# Altium PCB 小车PCB升级.PcbDoc (part 1 of 3)
Units mil, origin at the board's own origin, x right, y up, seen from the top; angles counter-clockwise.
Board outline 11811 x 8110.24 mil, 2 copper layers (Top Layer, Bottom Layer); 364 components, 360 nets, 1505 pads, 396 vias.
Unrouted connection lines stored in the file: 145.
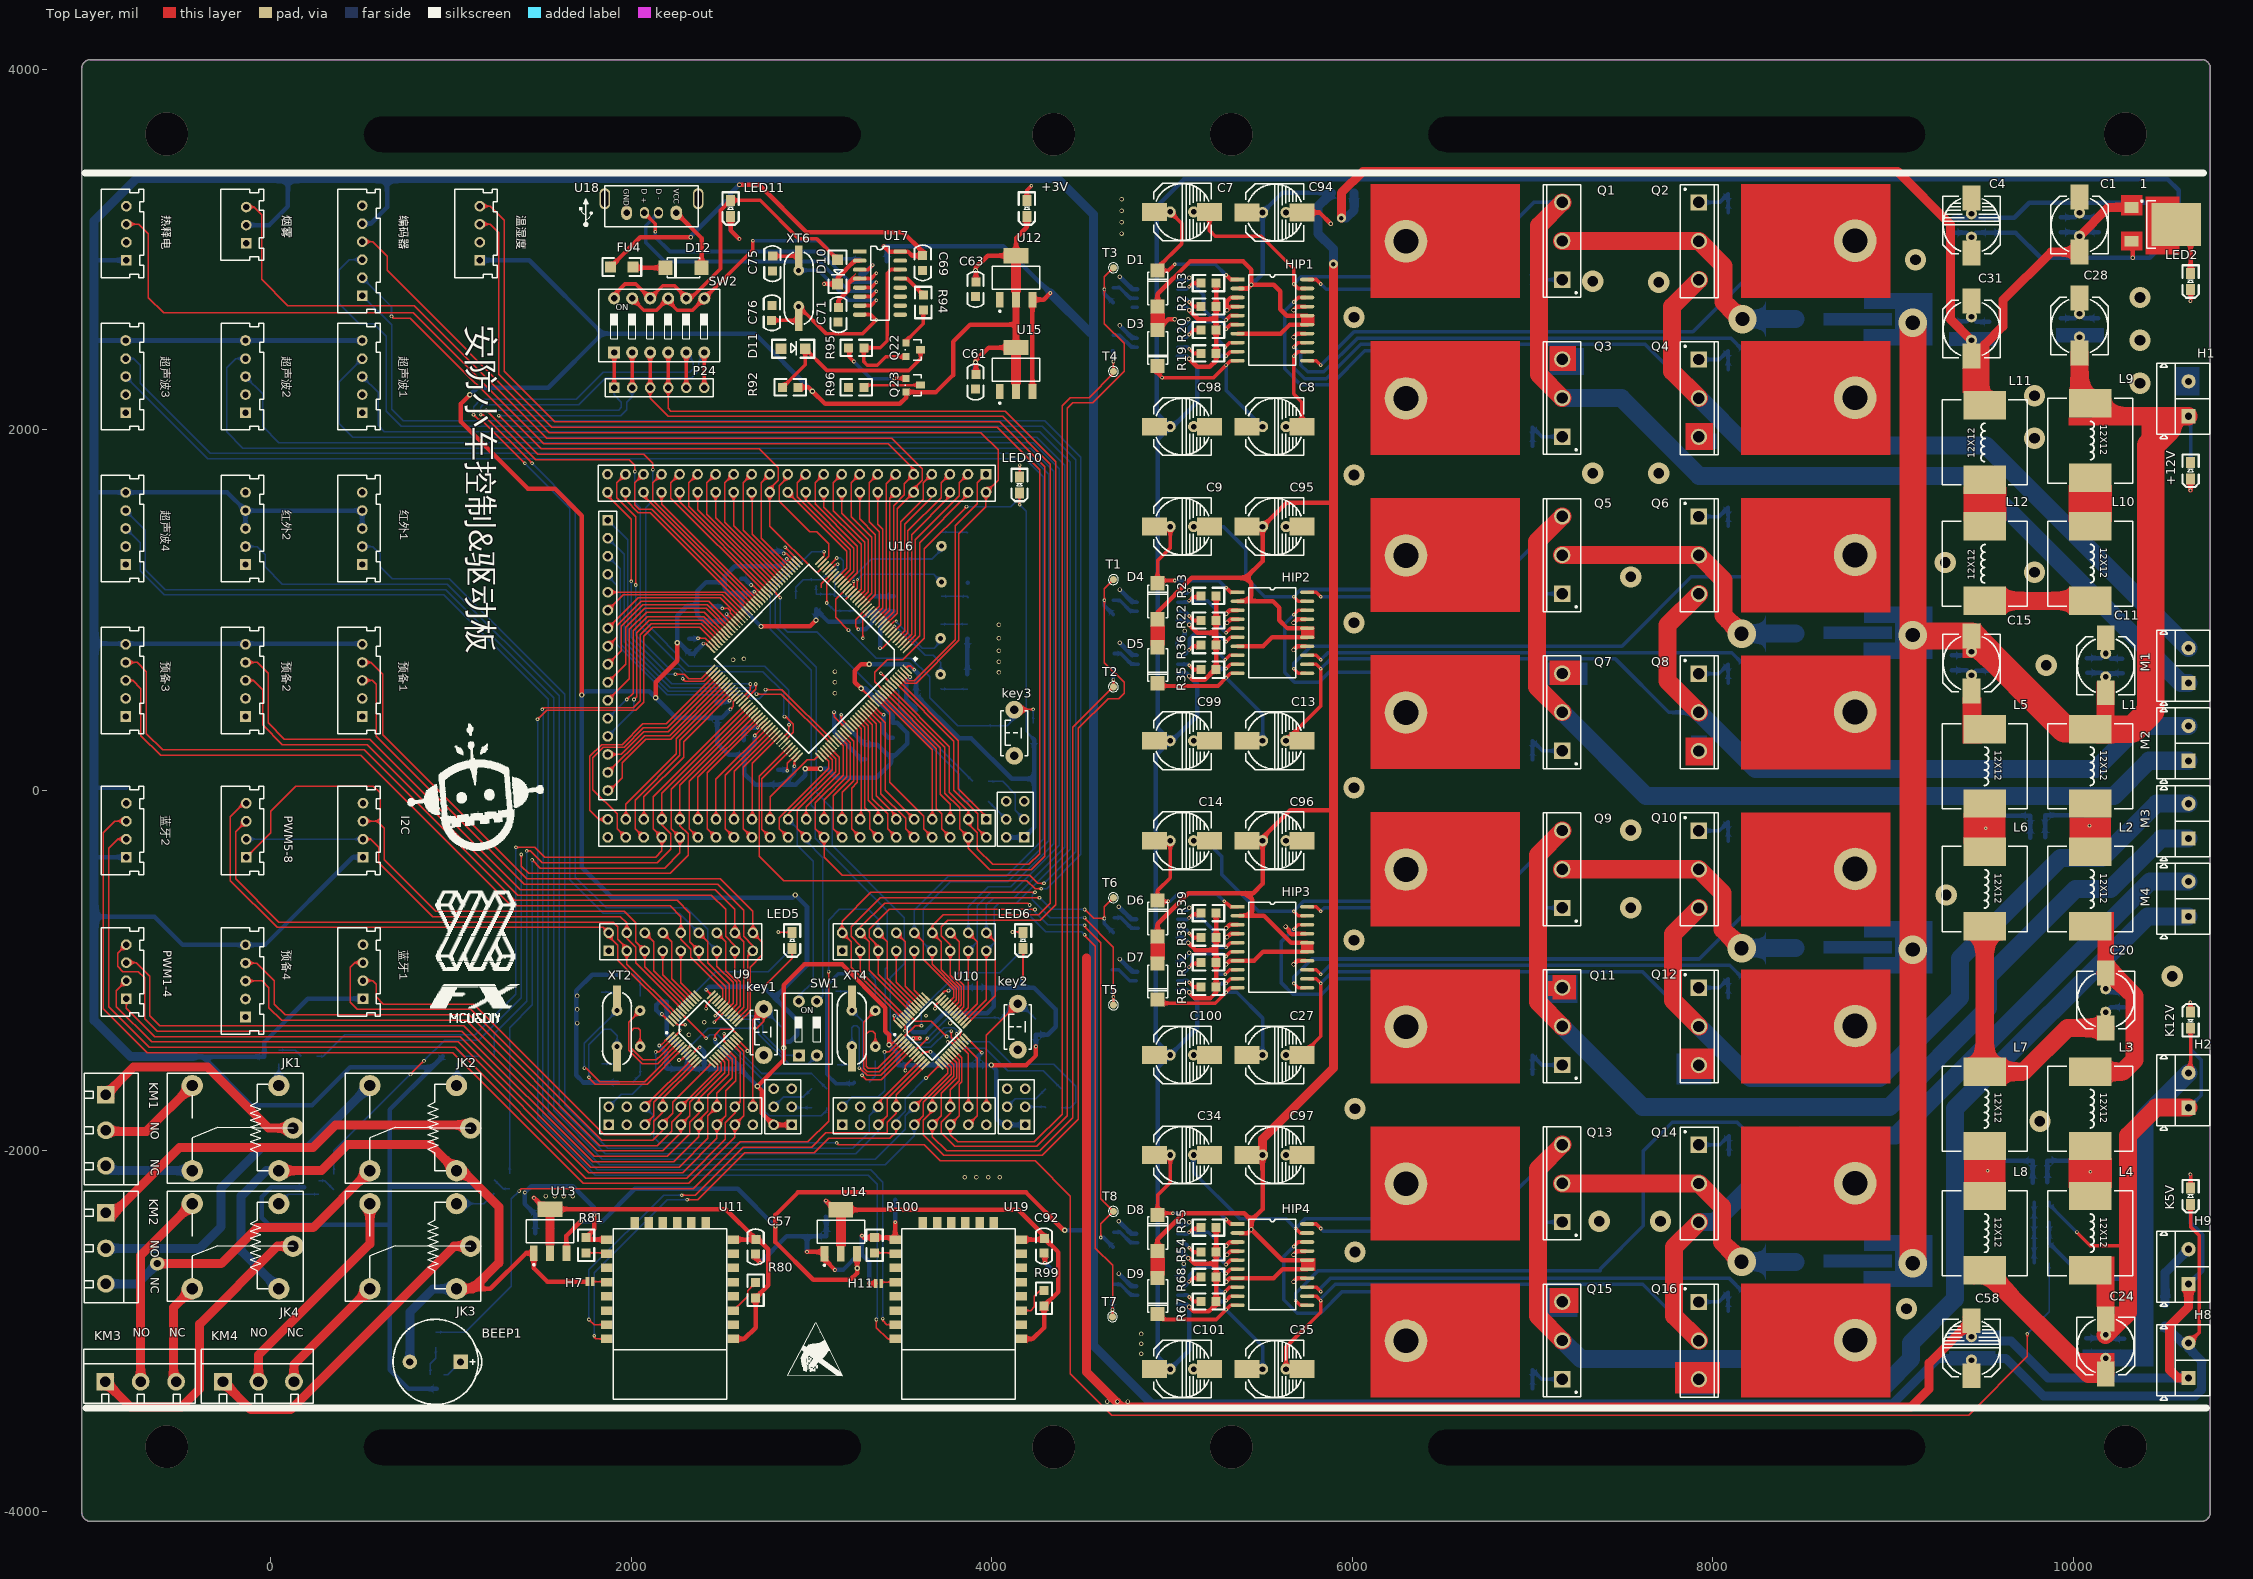
[diagram p0: Top Layer view]
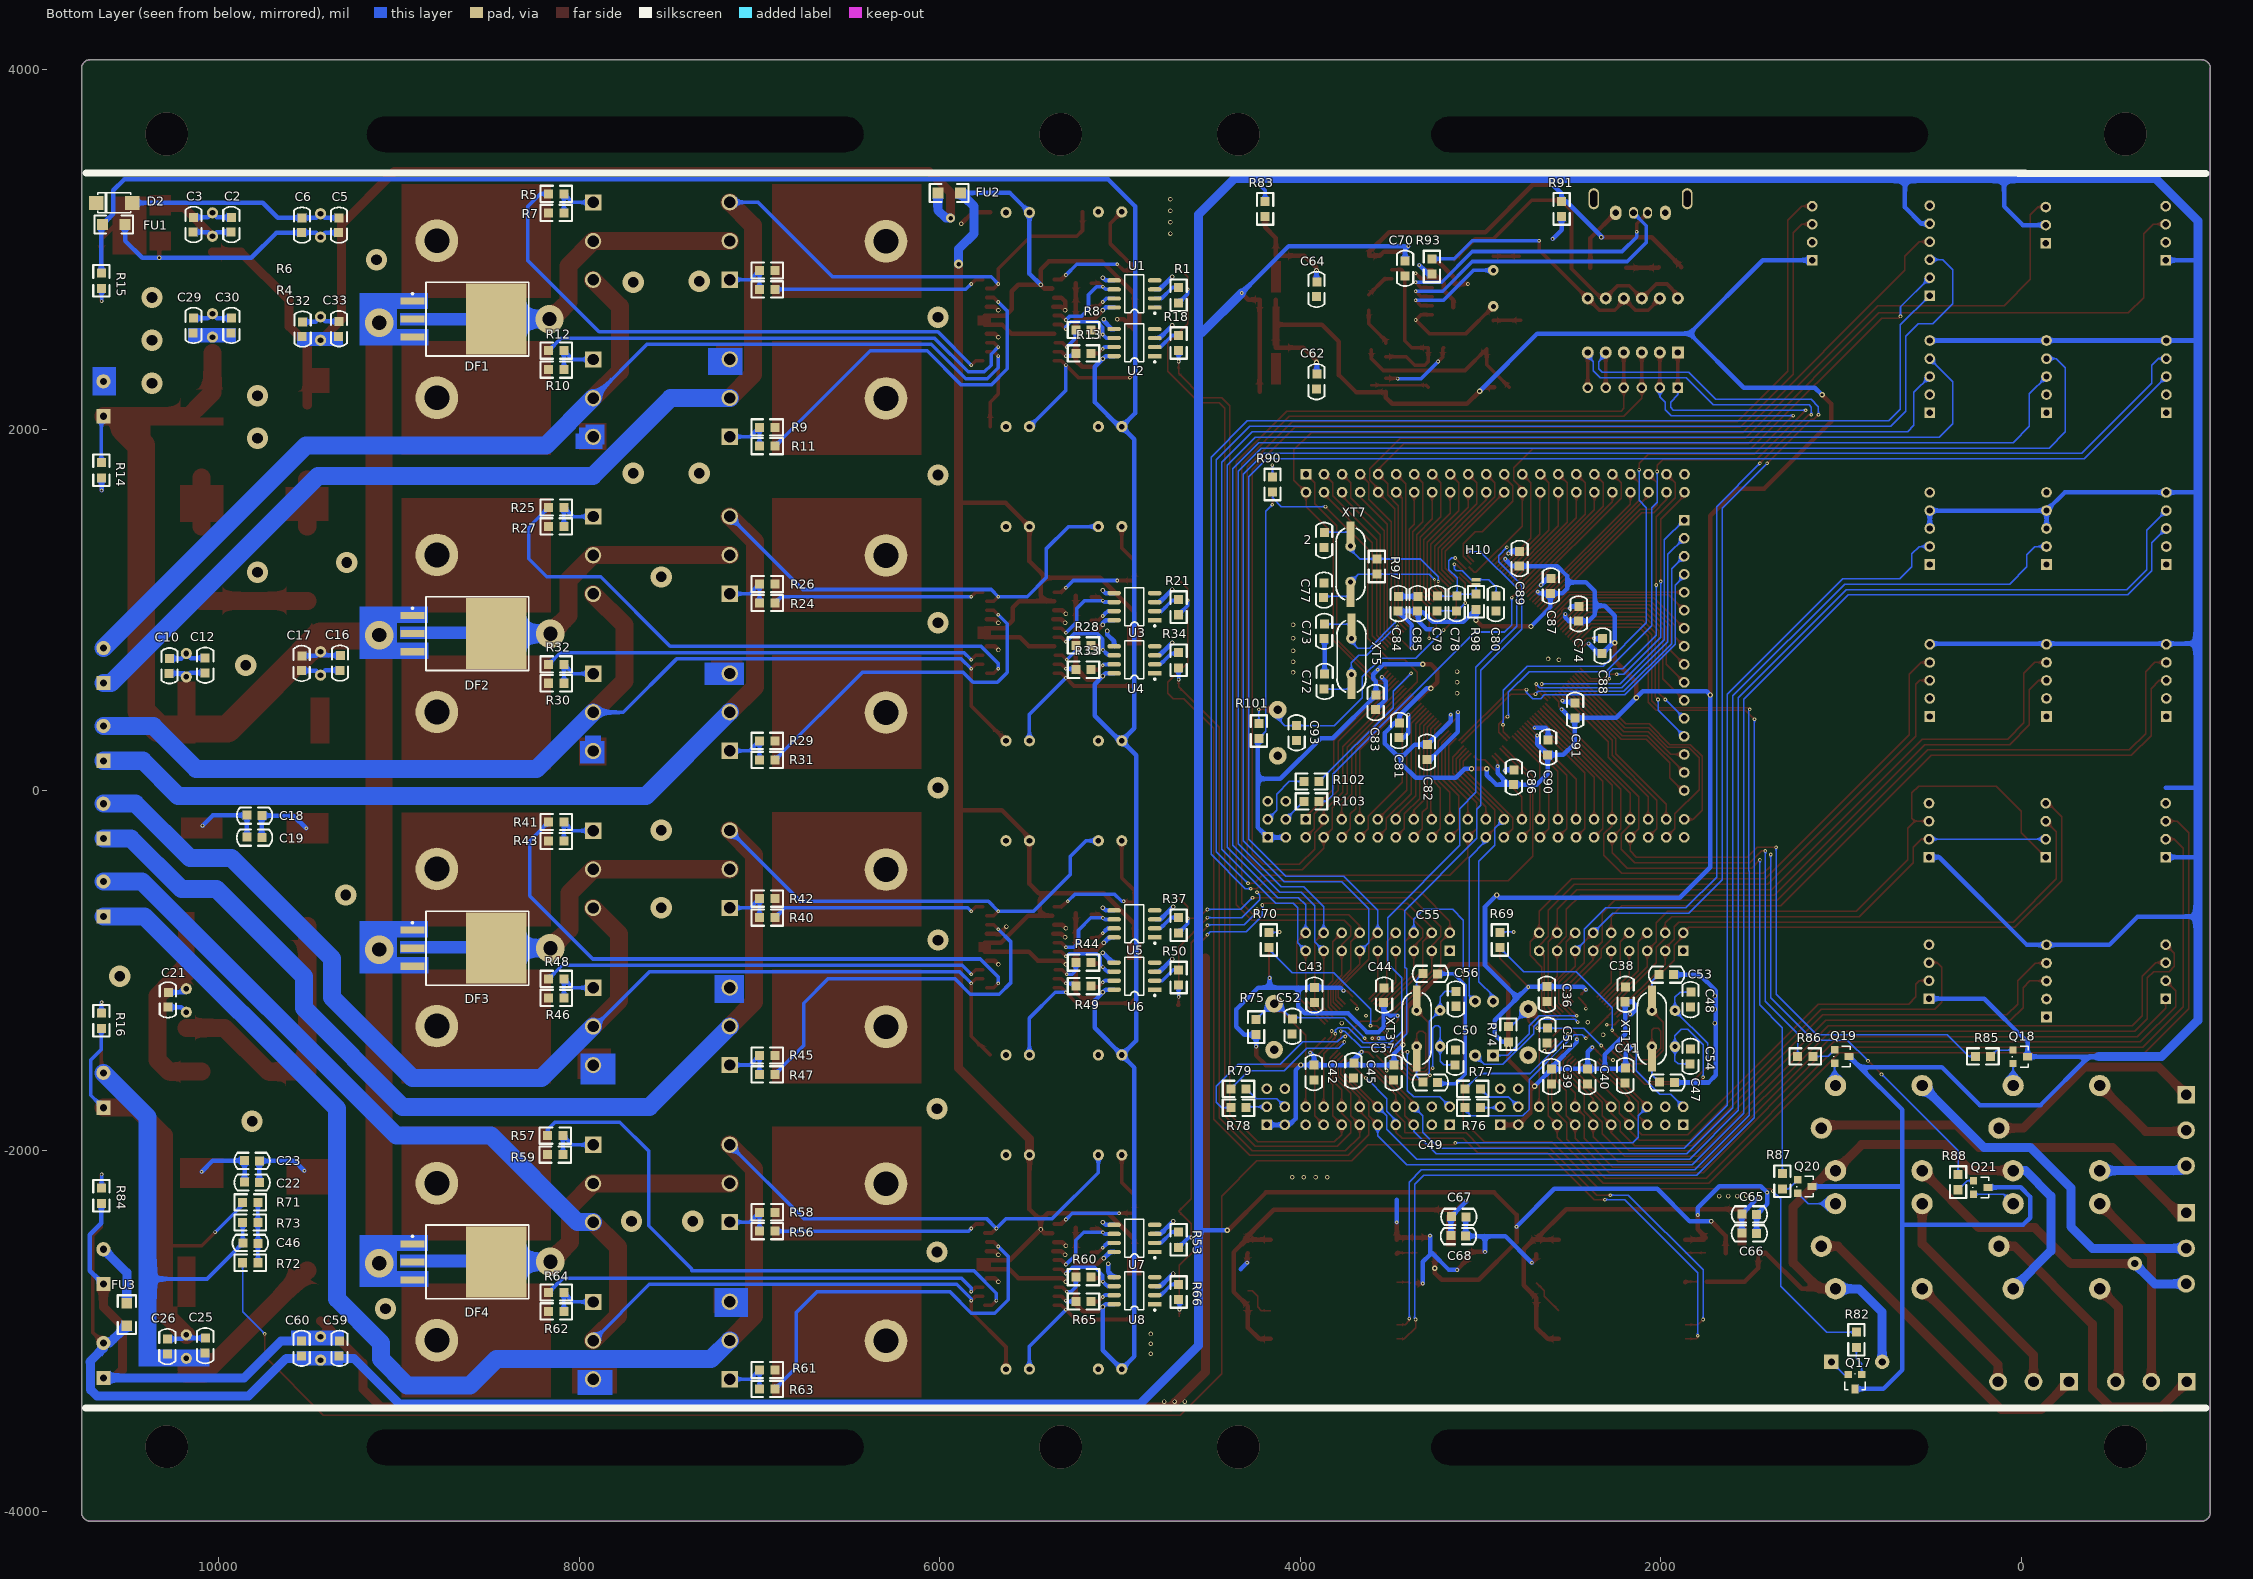
[diagram p1: Bottom Layer view, seen from below]

## Layer stack, top to bottom
Top Solder: solder mask 0.4, Solder Resist, Dk 3.5
Top Layer: signal copper 1.4
Dielectric 1: dielectric 12.6, FR-4, Dk 4.8
Bottom Layer: signal copper 1.4
Bottom Solder: solder mask 0.4, Solder Resist, Dk 3.5

## Board outline
-1049.78,-4006.99 -1049.78,4009.01 -1049.76,4009.01 cw(c-997.48,4002.8) -1002,4055.25 10715.73,4055.25 cw(c10709.52,4002.97) 10761.22,4012.92 10761.22,-4008.75 10760.97,-4008.75 cw(c10708.7,-4002.54) 10713.22,-4054.99 -1003.54,-4054.99 -1003.54,-4054.74 cw(c-997.33,-4002.46)

## Design rules (kind name [scope] priority, off if disabled: settings)
Clearance Clearance_2 [All] p1: gap=6
Clearance ALL [IsVia] p2: gap=10
PlaneConnect [InNet('No Net') And OnLayer('Top Layer')] p1: planeconnectstyle=Direct reliefexpansion=20 reliefentries=4 reliefconductorwidth=10 reliefairgap=10
PolygonConnect PolygonConnect_2 [IsVia vs IsPolygon] p1: connectstyle=Relief reliefconductorwidth=0 reliefentries=4 polygonreliefangle="90 Angle" airgapwidth=0
PolygonConnect PolygonConnect_1 [All] p2: connectstyle=Relief reliefconductorwidth=30 reliefentries=4 polygonreliefangle="90 Angle" airgapwidth=20
PolygonConnect [IsVia] p3: connectstyle=Direct reliefconductorwidth=15 reliefentries=4 polygonreliefangle="90 Angle" airgapwidth=15
RoutingVias [All] p1: holewidth=10 width=20 viastyle="Through Hole" minholewidth=10 minwidth=20 maxholewidth=10 maxwidth=20
SolderMaskExpansion [All] p1: expansion=3.94
Width [All] p1: maxlimit=200 minlimit=5 preferedwidth=20
29 further rules are at their usual default settings.

## Classes and differential pairs
component class 小车主板原理图1: 1 +12V C1 C2 C3 C4 C5 C6 C7 C8 C9 C10 C11 C12 C13 C14 C15 C16 C17 C18 C19 C20 C21 C22 C23 C24 C25 C26 C27 C28 C29 C30 C31 C32 C33 C34 C35 C94 C95 C96 C97 C98 C99 C100 C101 D1 D2 D3 D4 D5 D6 D7 D8 D9 DF1 DF2 DF3 DF4 FU1 FU2 H1 H2 HIP1 HIP2 HIP3 HIP4 K12V L1 L2 L3 L4 L5 L6 L7 L8 L9 L10 L11 L12 LED2 M1 M2 M3 M4 Q1 Q2 Q3 Q4 Q5 Q6 Q7 Q8 Q9 Q10 Q11 Q12 Q13 Q14 Q15 Q16 R1 R2 R3 R4 R5 R6 R7 R8 R9 R10 R11 R12 R13 R14 R15 R16 R18 R19 R20 R21 R22 R23 R24 R25 R26 R27 R28 R29 R30 R31 R32 R33 R34 R35 R36 R37 R38 R39 R40 R41 R42 R43 R44 R45 R46 R47 R48 R49 R50 R51 R52 R53 R54 R55 R56 R57 R58 R59 R60 R61 R62 R63 R64 R65 R66 R67 R68 U1 U2 U3 U4 U5 U6 U7 U8
component class 小车主板原理图2: BEEP1 C36 C37 C38 C39 C40 C41 C42 C43 C44 C45 C46 C47 C48 C49 C50 C51 C52 C53 C54 C55 C56 C57 H7 key1 key2 LED5 LED6 Q17 R69 R70 R71 R72 R73 R74 R75 R76 R77 R78 R79 R80 R81 R82 SW1 U9 U10 U11 XT1 XT2 XT3 XT4
component class 小车主板原理图3: +3V C58 C59 C60 C61 C62 C63 C64 C65 C66 C67 C68 FU3 H8 H9 JK1 JK2 JK3 JK4 K5V KM1 KM2 KM3 KM4 P24 Q18 Q19 Q20 Q21 R83 R84 R85 R86 R87 R88 SW2 T1 T2 T3 T4 T5 T6 T7 T8 U12 U13 U14 U15 编码器
component class 小车主板原理图: 2 C69 C70 C71 C72 C73 C74 C75 C76 C77 C78 C79 C80 C81 C82 C83 C84 C85 C86 C87 C88 C89 C90 C91 C92 C93 D10 D11 D12 FU4 H10 H11 key3 LED10 LED11 Q22 Q23 R90 R91 R92 R93 R94 R95 R96 R97 R98 R99 R100 R101 R102 R103 U16 U17 U18 U19 XT5 XT6 XT7

## Components (designator, comment, footprint, x,y, rotation, side; value= is the part's Value field where it differs from the comment)
1 "7805" TO-252-2 10471.18,3140 r0 top
2 "22" 0805C 3872,1348 r90 bottom
+3V "LED" 0805D 4195,3229 r90 top (schematic designator LED7)
+12V "+12V" 0805D 10651,1774 r90 top (schematic designator LED1)
BEEP1 "5V有源蜂鸣器" 5V蜂鸣器 915,-3170 r180 top
C1 "220uF" CD-8*8-无极性 10035,3137 r0 top
C2 "0.1uf" 0805C 9925,3180 r270 bottom
C3 "10pF" 0805C 10135,3180 r270 bottom
C4 "470uF" CD-8*8-2 9435,3137.83 r180 top
C5 "0.1uF" 0805C 9328,3177 r270 bottom
C6 "10pF" 0805C 9533,3177 r270 bottom
C7 "10uF" CD-8*8-2 5058,3210 r90 top
C8 "10uF" CD-8*8-2 5570.47,2018.57 r90 top
C9 "10uF" CD-8*8-2 5058,1463.96 r90 top
C10 "10pF" 0805C 10268,732 r270 bottom
C11 "220uF" CD-8*8-无极性 10180,692.17 r0 top
C12 "0.1uf" 0805C 10070,735 r270 bottom
C13 "10uF" CD-8*8-2 5570.47,275.71 r90 top
C14 "10uF" CD-8*8-2 5058,-278.9 r90 top
C15 "220uF" CD-8*8-无极性 9435,707.83 r180 top
C16 "0.1uf" 0805C 9332,667 r90 bottom
C17 "10pF" 0805C 9545,665 r90 bottom
C18 "0.1uf" 0805C 9761.36,-144.2 r0 bottom
C19 "10pF" 0805C 9761.36,-266.2 r0 bottom
C20 "220uF" CD-8*8-无极性 10180,-1162 r180 top
C21 "10pF" 0805C 10287,-1202 r90 bottom
C22 "0.1uf" 0805C 9775,-2180 r0 bottom
C23 "10pF" 0805C 9775,-2060 r0 bottom
C24 "220uF" CD-8*8-无极性 10180,-3082.17 r180 top
C25 "0.1uf" 0805C 10080,-3120 r90 bottom
C26 "10pF" 0805C 10290,-3125 r90 bottom
C27 "10uF" CD-8*8-2 5570.47,-1467.14 r90 top
C28 "220uF" CD-8*8-无极性 10035,2577.17 r0 top
C29 "0.1uf" 0805C 10135,2620 r270 bottom
C30 "10pF" 0805C 9925,2620 r270 bottom
C31 "220uF" CD-8*8-无极性 9435,2560 r0 top
C32 "0.1uf" 0805C 9530,2600 r270 bottom
C33 "10pF" 0805C 9328,2602 r270 bottom
C34 "10uF" CD-8*8-2 5058,-2021.75 r90 top
C35 "10uF" CD-8*8-2 5570.47,-3210 r90 top
C36 "104" 0805C 2637,-1170 r90 bottom
C37 "104" 0805C 3487,-1605 r90 bottom
C38 "104" 0805C 2190,-1090 r270 bottom
C39 "104" 0805C 2612,-1627 r90 bottom
C40 "104" 0805C 2412,-1627 r90 bottom
C41 "104" 0805C 2202,-1622 r90 bottom
C42 "104" 0805C 3930,-1605 r90 bottom
C43 "104" 0805C 3927,-1175 r90 bottom
C44 "104" 0805C 3530,-1095 r270 bottom
C45 "104" 0805C 3710,-1595 r90 bottom
C46 "CAP" 0805C 9865,-2505 r180 bottom
C47 "20" 0805C 1925,-1625 r0 bottom
C48 "20" 0805C 1840,-1200 r90 bottom
C49 "20" 0805C 3238,-1625 r0 bottom
C50 "20" 0805C 3135,-1440 r270 bottom
C51 "104" 0805C 2623,-1318 r270 bottom
C52 "104" 0805C 4038,-1268 r270 bottom
C53 "20" 0805C 1928,-1027 r0 bottom
C54 "20" 0805C 1830,-1435 r270 bottom
C55 "20" 0805C 3238,-1022 r0 bottom
C56 "20" 0805C 3142,-1197 r90 bottom
C57 "104" 0805C 2685,-2572 r90 top
C58 "470uF" CD-8*8-2 9435,-3092.17 r180 top
C59 "0.1uF" 0805C 9325,-3055 r270 bottom
C60 "10p" 0805C 9535,-3055 r270 bottom
C61 "104" 0805C 3905,2226.36 r90 top
C62 "10uF" 0805C 3915,2228 r90 bottom
C63 "104" 0805C 3905,2740 r90 top
C64 "10uF" 0805C 3915,2740 r90 bottom
C65 "104" 0805C 1468,-2357 r0 bottom
C66 "10uF" 0805C 1468,-2462 r0 bottom
C67 "104" 0805C 3080,-2370 r0 bottom
C68 "10uF" 0805C 3082.19,-2477 r0 bottom
C69 "104" 0805C 3622,2967 r270 top
C70 "10uF" 0805C 3413,2937 r270 bottom
C71 "104" 0805C 3155,2680 r270 top
C72 "10" 0805C 3860,645 r270 bottom
C73 "10" 0805C 3872,843 r90 bottom
C74 "104" 0805C 2460,940 r90 bottom
C75 "22" 0805C 2778,2883 r90 top
C76 "22" 0805C 2785,2690 r270 top
C77 "22" 0805C 3863,1152 r270 bottom
C78 "10uF" 0805C 3137,997 r90 bottom
C79 "104" 0805C 3245,997 r90 bottom
C80 "104" 0805C 2920,997 r90 bottom
C81 "104" 0805C 3457,293 r90 bottom
C82 "104" 0805C 3302,173 r90 bottom
C83 "104" 0805C 3587,448 r90 bottom
C84 "104" 0805C 3450,1077 r270 bottom
C85 "104" 0805C 3343,1077 r270 bottom
C86 "104" 0805C 2810,115 r270 bottom
C87 "104" 0805C 2605,1175 r270 bottom
C88 "104" 0805C 2318,842 r270 bottom
C89 "104" 0805C 2778,1327 r270 bottom
C90 "104" 0805C 2620,280 r270 bottom
C91 "104" 0805C 2470,485 r270 bottom
C92 "104" 0805C 4285,-2567 r90 top
C93 "104" 0805C 4015,360 r270 bottom
C94 "470uF" CD-8*8-2 5570.47,3206.82 r90 top
C95 "470uF" CD-8*8-2 5570.47,1463.96 r90 top
C96 "470uF" CD-8*8-2 5570.47,-278.9 r90 top
C97 "470uF" CD-8*8-2 5570.47,-2021.75 r90 top
C98 "220uF" CD-8*8-2 5058,2018.57 r90 top
C99 "220uF" CD-8*8-2 5058,275.71 r90 top
C100 "220uF" CD-8*8-2 5058,-1467.14 r90 top
C101 "220uF" CD-8*8-2 5058,-3210 r90 top
D1 "D" "DO-214-M7-  4007贴片" 4920,2780 r270 top
D2 "D" "DO-214-M7-  4007贴片" 10575,3260 r180 bottom
D3 "D" "DO-214-M7-  4007贴片" 4920,2460 r90 top
D4 "D" "DO-214-M7-  4007贴片" 4920,1045 r270 top
D5 "D" "DO-214-M7-  4007贴片" 4920,700 r90 top
D6 "D" "DO-214-M7-  4007贴片" 4920,-715 r270 top
D7 "D" "DO-214-M7-  4007贴片" 4920,-1055 r90 top
D8 "D" "DO-214-M7-  4007贴片" 4920,-2460 r270 top
D9 "D" "DO-214-M7-  4007贴片" 4920,-2800 r90 top
D10 "D" 1206D 3145,2945 r270 top
D11 "D" 1206D 2830,2451 r0 top
D12 "D" "DO-214-M7-  4007贴片" 2295,2900 r0 top
DF1 "DF?" TO263 8680,2615 r180 bottom
DF2 "DF?" TO263 8680,870 r180 bottom
DF3 "DF?" TO263 8680,-875 r180 bottom
DF4 "DF?" TO263 8680,-2615 r180 bottom
FU1 "FUSE" 1206 10515,3140 r0 bottom
FU2 "FUSE" 1206 5880,3315 r0 bottom
FU3 "FUSE" 1206 10510,-2840 r270 bottom
FU4 "1A" 1206 1880,2904.24 r0 top
H1 "12V驱动电源" KF301接线端子 10758,1976.3 r90 top
H2 "12VMCU电源" KF301接线端子 10758,-1860 r90 top
H7 "2脚" 2P 1772.06,-2726 r0 top
H8 "VCC5VOUT" KF301接线端子 10758,-3358.7 r90 top
H9 "VCC5VINT" KF301接线端子 10758,-2838.7 r90 top
H10 "2脚" 2P 3026,1155 r270 bottom
H11 "2脚" 2P 3372.06,-2736 r0 top
HIP1 "HIP4081" SOP-20.. 5364.17,2835 r0 top
HIP2 "HIP4081" SOP-20.. 5364.17,1099.91 r0 top
HIP3 "HIP4081" SOP-20.. 5364.17,-645 r0 top
HIP4 "HIP4081" SOP-20.. 5364.17,-2405 r0 top
I2C "I2C" PZ_XH-2.54-4P 511.67,-270 r90 top (schematic designator P11)
JK1 "" SRD-C_B 45,-2109.49 r180 top
JK2 "" SRD-C_B 1030.31,-2109.49 r180 top
JK3 "" SRD-C_B 1030.31,-2764.49 r180 top
JK4 "" SRD-C_B 45,-2764.49 r180 top
K5V "LED" 0805D 10651,-2251 r90 top (schematic designator LED8)
K12V "+MCU12V" 0805D 10651,-1274 r270 top (schematic designator LED3)
key1 "KEY" 按键DIP-3*6*5 2735,-1340 r90 top
key2 "KEY" 按键DIP-3*6*5 4145,-1310 r90 top
key3 "KEY" 按键DIP-3*6*5 4125,320 r90 top
KM1 "HDR-1X3" KF301-3P -915,-1688.15 r270 top (schematic designator JP1)
KM2 "HDR-1X3" KF301-3P -915,-2343.15 r270 top (schematic designator JP2)
KM3 "HDR-1X3" KF301-3P -918.7,-3280 r0 top (schematic designator JP3)
KM4 "HDR-1X3" KF301-3P -265,-3280 r0 top (schematic designator JP4)
L1 "L" 12*12电感 9859,370 r270 top
L2 "L" 12*12电感 9859,-310 r270 top
L3 "L" 12*12电感 9859,-1530 r270 top
L4 "L" 12*12电感 9859,-2220 r270 top
L5 "L" 12*12电感 9273,370 r270 top
L6 "L" 12*12电感 9273,-310 r270 top
L7 "L" 12*12电感 9273,-1530 r270 top
L8 "L" 12*12电感 9273,-2220 r270 top
L9 "L" 12*12电感 9859,2177.44 r270 top
L10 "L" 12*12电感 9859,1495 r270 top
L11 "L" 12*12电感 9745,1695 r90 top
L12 "L" 12*12电感 9745,1022.56 r90 top
LED2 "+5V" 0805D 10651,2824 r90 top
LED5 "LED" 0805D 2892.94,-832.06 r90 top
LED6 "LED" 0805D 4173.8,-832.06 r90 top
LED10 "LED" 0805D 4153.8,1695 r90 top
LED11 "LED" 0805D 2551,3229 r90 top
M1 "M1接线端子" KF301接线端子 10758,496.3 r90 top (schematic designator H3)
M2 "M2接线端子" KF301接线端子 10758,64.63 r90 top (schematic designator H4)
M3 "M3接线端子" KF301接线端子 10758,-367.03 r90 top (schematic designator H5)
M4 "M4接线端子" KF301接线端子 10758,-798.7 r90 top (schematic designator H6)
P1 "" HDR2X9 1875,-890 r0 top
P2 "" HDR2X9 1875,-1855 r0 top
P5 "Header 9X2" HDR2X9 3170,-1855 r0 top
P6 "Header 9X2" HDR2X9 3170,-890 r0 top
P12 "Header 3X2" HDR2X3 2890,-1855 r90 top
P13 "Header 3X2" HDR2X3 4185,-1855 r90 top
P24 "Header 6" HDR1X6 1905,2235 r0 top
P26 "Header 22X2" HDR2X22 3968.05,1755 r180 top
P27 "Header 22X2" HDR2X22 3970,-160 r180 top
P28 "Header 16" HDR1X16 1870,1500 r270 top
P29 "Header 3X2" HDR2X3 4180,-260 r90 top
PWM1-4 "PWM1—4" PZ_XH-2.54-4P -801.06,-1055 r90 top (schematic designator P3)
PWM5-8 "PWM5—8" PZ_XH-2.54-4P -136.06,-270 r90 top (schematic designator P9)
Q1 "IRFP260N" "TO-247 - 贴" 7165,3048.82 r90 top
Q2 "IRFP260N" "TO-247 - 贴" 7923,3048 r270 top
Q3 "IRFP260N" "TO-247 - 贴" 7165,2177.39 r90 top
Q4 "IRFP260N" "TO-247 - 贴" 7923,2176.57 r270 top
Q5 "IRFP260N" "TO-247 - 贴" 7165,1305.96 r90 top
Q6 "IRFP260N" "TO-247 - 贴" 7923,1305.14 r270 top
Q7 "IRFP260N" "TO-247 - 贴" 7165,434.53 r90 top
Q8 "IRFP260N" "TO-247 - 贴" 7923,433.71 r270 top
Q9 "IRFP260N" "TO-247 - 贴" 7165,-436.9 r90 top
Q10 "IRFP260N" "TO-247 - 贴" 7923,-437.71 r270 top
Q11 "IRFP260N" "TO-247 - 贴" 7165,-1308.32 r90 top
Q12 "IRFP260N" "TO-247 - 贴" 7923,-1309.14 r270 top
Q13 "IRFP260N" "TO-247 - 贴" 7165,-2179.75 r90 top
Q14 "IRFP260N" "TO-247 - 贴" 7923,-2180.57 r270 top
Q15 "IRFP260N" "TO-247 - 贴" 7165,-3051.18 r90 top
Q16 "IRFP260N" "TO-247 - 贴" 7923,-3052 r270 top
Q17 "NPN" SOT-23 880.12,-3239.37 r0 bottom
Q18 "NPN" SOT-23 45.63,-1435.12 r270 bottom
Q19 "NPN" SOT-23 1035.63,-1433.12 r270 bottom
Q20 "NPN" SOT-23 1240.63,-2155.12 r270 bottom
Q21 "NPN" SOT-23 265.63,-2160.12 r270 bottom
Q22 "8050" SOT-23 3524.37,2486.88 r270 top
Q23 "8550" SOT-23 3524.37,2290.94 r270 top
R1 "30R" 0805 4675,2710 r90 bottom
R2 "10K" 0805 5240,2684.93 r180 top
R3 "300R" 0805 5240,2814.9 r180 top
R4 "10R" 0805 6920,2780 r0 bottom
R5 "10R" 0805 8090,3310 r0 bottom
R6 "10K" 0805 6920,2885 r0 bottom
R7 "10K" 0805 8165,3205 r180 bottom
R8 "220k" 0805 5240,2555 r180 bottom
R9 "10K" 0805 6995,2015 r180 bottom
R10 "10K" 0805 8090,2335 r0 bottom
R11 "10R" 0805 6995,1910 r180 bottom
R12 "10R" 0805 8090,2440 r0 bottom
R13 "220k" 0805 5240,2425 r180 bottom
R14 "1k" 0805 10651,1739 r90 bottom
R15 "500R" 0805 10651,2790 r90 bottom
R16 "500R" 0805 10651,-1240 r270 bottom
R18 "30R" 0805 4675,2445 r90 bottom
R19 "10K" 0805 5240,2425 r180 top
R20 "300R" 0805 5240,2554.97 r180 top
R21 "30R" 0805 4675,980 r90 bottom
R22 "10K" 0805 5240,943.27 r180 top
R23 "300R" 0805 5240,1079.9 r180 top
R24 "10R" 0805 6920,1040 r0 bottom
R25 "10R" 0805 8090,1570 r0 bottom
R26 "10K" 0805 6920,1145 r0 bottom
R27 "10K" 0805 8165,1465 r180 bottom
R28 "220k" 0805 5240,805 r180 bottom
R29 "10K" 0805 6995,275 r180 bottom
R30 "10K" 0805 8090,595 r0 bottom
R31 "10R" 0805 6995,170 r180 bottom
R32 "10R" 0805 8090,700 r0 bottom
R33 "220k" 0805 5240,670 r180 bottom
R34 "30R" 0805 4675,685 r90 bottom
R35 "10K" 0805 5240,670 r180 top
R36 "300R" 0805 5240,806.63 r180 top
R37 "30R" 0805 4675,-785 r90 bottom
R38 "10K" 0805 5240,-816.7 r180 top
R39 "300R" 0805 5240,-680.1 r180 top
R40 "10R" 0805 6920,-705 r0 bottom
R41 "10R" 0805 8090,-175 r0 bottom
R42 "10K" 0805 6920,-600 r0 bottom
R43 "10K" 0805 8165,-280 r180 bottom
R44 "220k" 0805 5240,-955 r180 bottom
R45 "10K" 0805 6995,-1470 r180 bottom
R46 "10K" 0805 8090,-1150 r0 bottom
R47 "10R" 0805 6995,-1575 r180 bottom
R48 "10R" 0805 8090,-1045 r0 bottom
R49 "220k" 0805 5240,-1085 r180 bottom
R50 "30R" 0805 4675,-1075 r90 bottom
R51 "10K" 0805 5240,-1089.91 r180 top
R52 "300R" 0805 5240,-953.31 r180 top
R53 "30R" 0805 4675,-2530 r90 bottom
R54 "10K" 0805 5240,-2561.7 r180 top
R55 "470R" 0805 5240,-2425.1 r180 top
R56 "10R" 0805 6920,-2445 r0 bottom
R57 "10R" 0805 8095,-1915 r0 bottom
R58 "10K" 0805 6920,-2340 r0 bottom
R59 "10K" 0805 8170,-2020 r180 bottom
R60 "220k" 0805 5240,-2700 r180 bottom
R61 "10K" 0805 6995,-3215 r180 bottom
R62 "10K" 0805 8090,-2890 r0 bottom
R63 "10R" 0805 6995,-3320 r180 bottom
R64 "10R" 0805 8090,-2785 r0 bottom
R65 "220k" 0805 5240,-2835 r180 bottom
R66 "30R" 0805 4675,-2820 r90 bottom
R67 "10K" 0805 5240,-2834.91 r180 top
R68 "470R" 0805 5240,-2698.31 r180 top
R69 "500" 0805 2892.94,-792.06 r270 bottom
R70 "500" 0805 4173.8,-792.06 r270 bottom
R71 "" 0805 9787.64,-2285 r0 bottom
R72 "Res" 0805 9787.64,-2620 r0 bottom
R73 "" 0805 9862.64,-2396.67 r180 bottom
R74 "10k" 0805 2845,-1315 r270 bottom
R75 "10k" 0805 4245,-1275 r270 bottom
R76 "10k" 0805 3005,-1760 r0 bottom
R77 "10k" 0805 3080,-1655 r180 bottom
R78 "10k" 0805 4305,-1760 r0 bottom
R79 "10k" 0805 4380,-1655 r180 bottom
R80 "1k" 0805 2690,-2810 r90 top
R81 "1k" 0805 1750,-2485 r270 top
R82 "1K" 0805 915,-3010 r270 bottom
R83 "500R" 0805 4195,3189 r90 bottom
R84 "500R" 0805 10651,-2285 r90 bottom
R85 "1k" 0805 250,-1475 r180 bottom
R86 "1k" 0805 1235,-1475 r180 bottom
R87 "1k" 0805 1325,-2130 r270 bottom
R88 "1k" 0805 350,-2135 r270 bottom
R90 "500" 0805 4153.8,1735 r270 bottom
R91 "4.7K" 0805 2550,3189 r90 bottom
R92 "10K" 0805 2845,2237.06 r0 top
R93 "300" 0805 3270,2944.64 r270 bottom
R94 "1K" 0805 3620,2745 r270 top
R95 "1K" 0805 3210,2456 r0 top
R96 "1K" 0805 3210,2237.06 r0 top
R97 "1M" 0805 3575,1280 r270 bottom
R98 "10R" 0805 3025,1084.64 r270 bottom
R99 "1k" 0805 4290,-2855 r90 top
R100 "1k" 0805 3350,-2485 r270 top
R101 "10k" 0805 4230,367.64 r270 bottom
R102 "10k" 0805 3975,50 r180 bottom
R103 "10k" 0805 3900,-60 r0 bottom
SW1 "CSW-2P" "CSW DIP-2P" 2980,-1320 r0 top
SW2 "CSW-6P" "CSW DIP-6P" 2155,2580 r0 top
T1 "1 测试点" SIP1-1*1 4675,1170 r0 top
T2 "1 测试点" SIP1-1*1 4675,575 r0 top
T3 "1 测试点" SIP1-1*1 4675,2900 r0 top
T4 "1 测试点" SIP1-1*1 4675,2325 r0 top
T5 "1 测试点" SIP1-1*1 4675,-1190 r0 top
T6 "1 测试点" SIP1-1*1 4675,-595 r0 top
T7 "1 测试点" SIP1-1*1 4670,-2920 r0 top
T8 "1 测试点" SIP1-1*1 4675,-2335 r0 top
U1 "6N137" SOP-8 4920,2755 r90 bottom
U2 "6N137" SOP-8 4920,2485 r90 bottom